# Allegro board RUBUS_20173009.brd (continued)
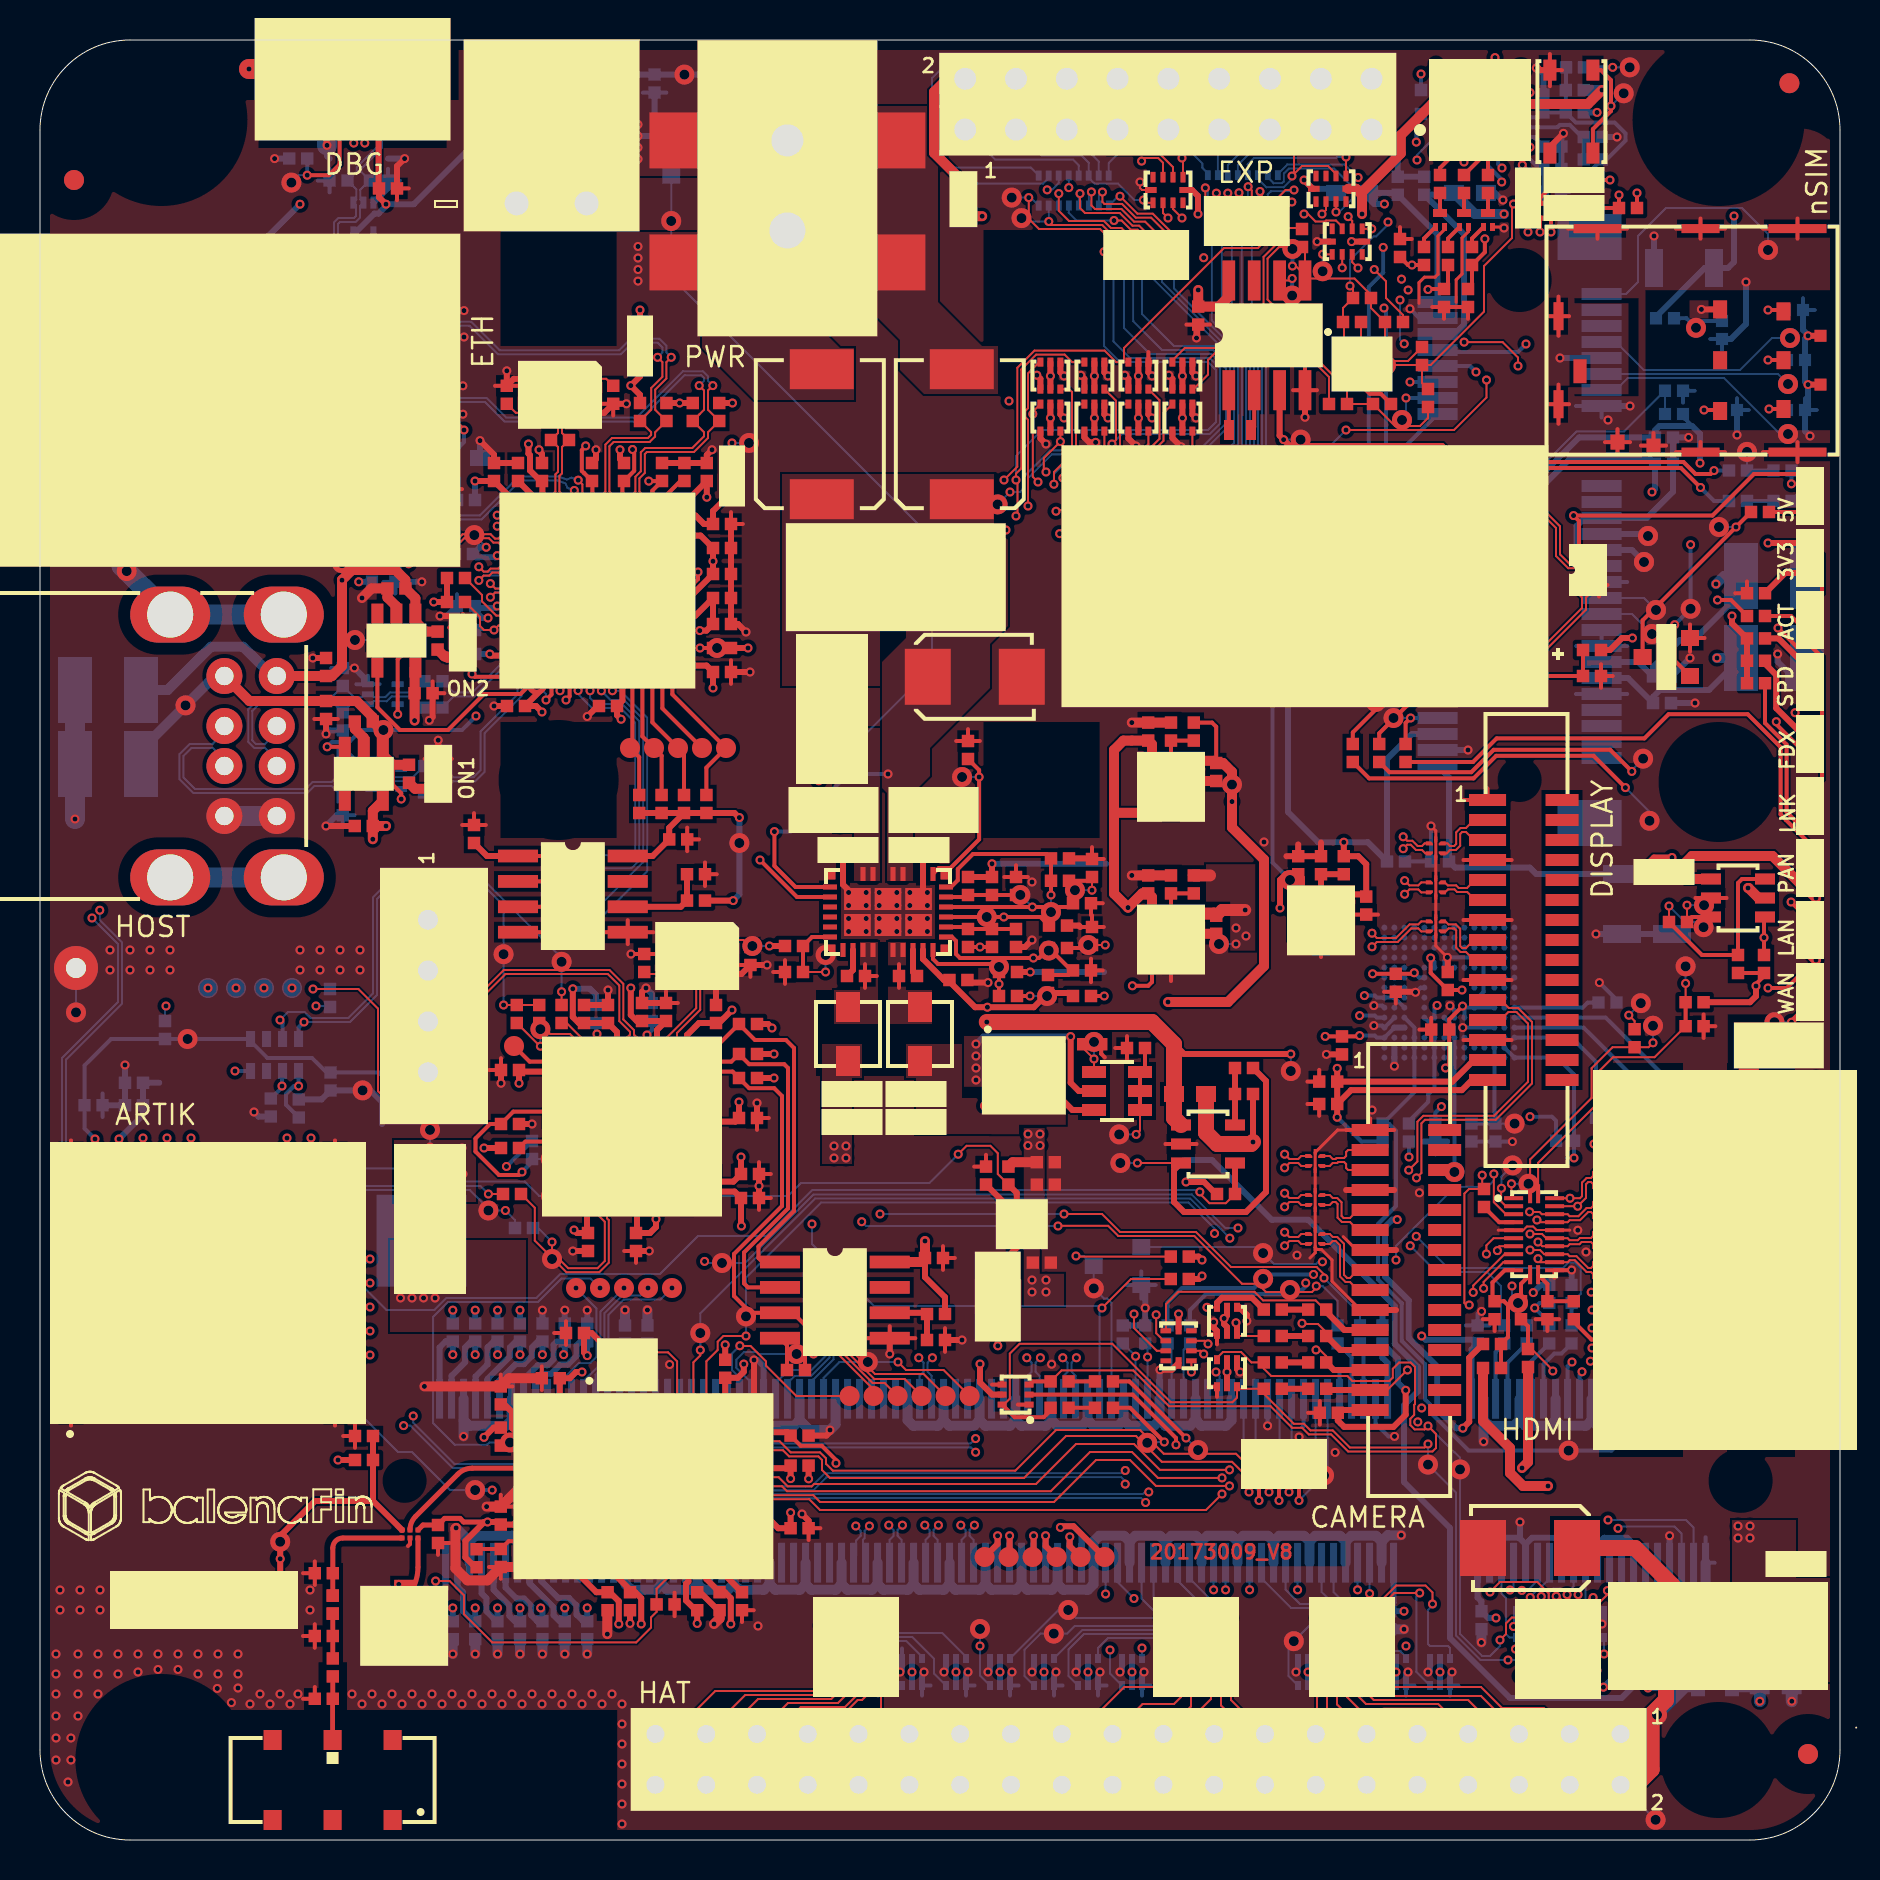
[diagram p0: board, top side]
## Library data of the parts (continued)
C68 C69 = CS-C-0402: room: USB HOST 1
C71 = CS-C-1206-10n/1kV: room: USB HOST 1
C75 C76 C79 = CS-C-0402-100n/16V: room: USB HOST 2
C77 C78 = CS-C-0402: room: USB HOST 2
C85 = CS-C-0402-100n/16V: room: SWITCH USB
C86 C87 = CS-C-0402: room: USB BOOT
C88 = CS-C-0402-100n/16V: room: USB BOOT
C89 = CS-C-1206-10n/1kV: room: USB BOOT
C91 C92 = CS-C-0402-100n/16V: room: ARTIK 020
C93 = CS-C-0402-10u/6V3-X5R: room: ARTIK 020
C107 = CS-C-0402-1u/16-X5R: room: eMMC
C108 C109 C111 = CS-C-0402-100n/16V: room: eMMC
C110 C112 = CS-C-0402-2.2u/6V3-X5R: room: eMMC
C113 C114 = CS-C-0603-10u/10V-X5R: room: CONNETTORE HAT
C115 C116 = CS-C-0603-10u/10V-X5R: room: mPCIE
C117-C124 C211 = CS-C-0402-100n/16V: room: mPCIE
C134 = CS-C-1206-10n/1kV: room: ETHERNET+HUB USB
C135 = CS-C-0603-22n/50V: room: ETHERNET+HUB USB
C136-C139 = CS-C-0402-15p/50V-NP0: room: ETHERNET+HUB USB
C140 C170-C183 C186 = CS-C-0402-100n/16V: room: ETHERNET+HUB USB
C147 C148 = CS-C-0402-33p/50V-C0G: room: ETHERNET+HUB USB
C149 = CS-C-0402-1u/16-X5R: room: POWER SWITCH
C150 C151 = CS-C-0402-10u/6V3-X5R: room: POWER SWITCH
C152 = CS-C-0402-100n/16V: room: POWER SWITCH
C153-C156 = CS-C-0402-33p/50V-C0G: room: NANO-SIM
C157-C159 C162-C166 C168 = CS-C-0402-100n/16V: room: USB-JTAG
C160 C161 C167 = CS-C-0402-4.7u/6V3-X5R: room: USB-JTAG
C184 = CS-C-0402-4.7u/6V3-X5R: room: ETHERNET+HUB USB
C185 = CS-C-0402-1u/16-X5R: room: ETHERNET+HUB USB
C187 = CS-C-0402-10n/50V: room: ETHERNET+HUB USB
C188 = CS-C-0402-100n/16V: room: RTC
C189-C199 = CS-C-0402-10u/6V3-X5R: room: WIFI-BLUETOOTH
C202 = CS-C-0402-0.6p/50V-C0G: room: WIFI-BLUETOOTH
C204 = CS-C-0402-100n/16V: room: LED RGB
C205 C206 C232 C234 = CS-C-1210-100u/10V-X5R
C207-C209 = CS-C-1206-22u/25V-X5R: room: mPCIE
C210 = CS-C-0402-100n/16V: room: WIFI-BLUETOOTH
C212 C217 = CS-C-0402
C213 C216 = CS-C-0402-220p/50V
C214 C215 C231 = CS-C-0402-10n/50V
C218 C219 = CS-C-0402-100n/16V
C220 C221 = CS-C-0402-4.7p/50V-C0G
C222 C224 = CS-C-1206-22u/25V-X5R
C223 C225 = CS-C-0603-100n/50V
C226 = CS-C-0402-1u/16-X5R
C227-C230 = CS-C-0603-22u/10V/X5R
DS1 = DIODO4x - BAV99BRVA-7 -0.2A/75V: room: DISPLAY DSI
DS2 DS3 = SCHOTTKY-CDBC560-G - 5A/60V: room: POWER IN
DS4 DS5 = DIODO4x - BAV99BRVA-7 -0.2A/75V: room: CAMERA CSI
DS7-DS10 DS25-DS28 = DIODO4x - BAV99BRVA-7 -0.2A/75V: room: MCU CONNECTOR
DS11-DS24 = DIODO4x - BAV99BRVA-7 -0.2A/75V: room: CONNETTORE HAT
DS31 DS32 = SCHOTTKY-MBRA160 - 1A/60V: room: USB-JTAG
DSW1 = DIP-SW-1x-CHS-01TB-SMD
F1 F4 = RAPIDO - 0154003.DR - 3A/125V: room: POWER IN
F2 = PTC - 0ZCM0010FF2G - 0.1A/15V: room: MCU CONNECTOR
F3 = PTC - 0ZCM0010FF2G - 0.1A/15V: room: CONNETTORE HAT
FID1-FID6 = FIDUCIAL
J1 = HDMI - J-19-0050-FOS-HDMI-A-CNC
J2 = SODIMM - CM3L - 1473005-4: room: CM3L
J3 = FPC-ZIF - J-15X2-0100-FDS-ZIF: room: DISPLAY DSI
J7 = JACK-PW - J-CUPJ002AH: room: POWER IN
J9 = UFL - U-FL-R-SMT-1-10: room: WIFI-BLUETOOTH
J10 = FPC-ZIF - J-15X2-0100-FDS-ZIF: room: CAMERA CSI
J11 = USB - J-8-0200-FOT-USB-A-2X: room: USB HOST 1
J13 = USB - MICROUSB-B-FCI10118192: room: USB BOOT
J14 = STRIP-J-9X2-0254-MDT: room: MCU CONNECTOR
J18 = STRIP-J-20X2-0254-MDT: room: CONNETTORE HAT
J19 = mPCIE - J-26X2-0080-FOS-2041119: room: mPCIE
J20 = RJ45 - J-RJ45-J0C0006NL: room: ETHERNET+HUB USB
J21 = MC - J-2-0350-MOT-MC: room: POWER IN
J22 = NANOSIM - J-NANOSIM-SF72S006VBA: room: NANO-SIM
J23 = MODUII - J-4-0254-MDT-MODUII: room: USB-JTAG
L1 = FIL-BLM15PX121SN1D- 120R/2A: room: HDMI
L2-L4 = CM - TDKTCE0806G - 90R/0.1A: room: DISPLAY DSI
L10 = L - L-07C2N2SV6T-2.2n/0.3A: room: WIFI-BLUETOOTH
L11-L13 = CM - TDKTCE0806G - 90R/0.1A: room: CAMERA CSI
L20 L21 = FIL-BLM18PG121SN1D-120R/2A: room: ETHERNET+HUB USB
L22 = L - L-07C1N8SV6T-1.8n/0.3A: room: WIFI-BLUETOOTH
L23 L24 = PW-IHLP1212BZER1R0M11-1u/5A
LD4 LD5 = LED R - GENERICO - 0603: room: POWER LED
LD8 = LED RGB - ASMT-YTB7-0AA02: room: LED RGB
LD9-LD11 = LED V - GENERICO - 0603: room: mPCIE
LD12 LD14 = LED V - GENERICO - 0603: room: ETHERNET+HUB USB
LD13 = LED G - KPT-1608YC - 0603: room: ETHERNET+HUB USB
LD15 = LED V - GENERICO - 0603: room: USB HOST 1
LD16 = LED V - GENERICO - 0603: room: USB HOST 2
LD17 = LED V - GENERICO - 0603: room: CM3L
MOD1 = WIFI-BLE - WYSBHVGXG: room: WIFI-BLUETOOTH
MOD2 = ARTIK - 020
PB1 = PB-SPST-SKRPADE010: room: CM3L
Q1 Q13 = NMOS - BSS138 - 0.2A/50V: room: HDMI
Q2 Q3 = NMOS - BSS138 - 0.2A/50V: room: CM3L
Q6 = NMOS - BSS138 - 0.2A/50V: room: SWITCH USB
Q7-Q9 = NPN - MMBT3904LP-7B - 0.2A/40V: room: LED RGB
Q14 = PMOS - SISS27DN - 23A/30V
Q15 = PNPPNP - DMMT5401-7-F-0.2A/150V
Q16 Q17 = N-P MOS-FDC6327C-2.7A/1.9A/20V
Q18 = NMOS-2X - PMGD280UN - 0.87A/20V
R1 R3-R5 R282 R283 R288 R289 = RS-0402-2.49k: room: CM3L
R2 R6 R8 R9 R11-R16 R183 R243 R244 R290 = RS-0402-0r: room: CM3L
R7 R10 R18 R20 = RS-0402-100k: room: CM3L
R17 R19 R237 R238 R249 R250 R255 R264 R291 R293 = RS-0402-0r
R21 R22 = RS-0402-100k: room: HDMI
R23-R26 = RS-0402-100r: room: DISPLAY DSI
R28 R29 = RS-0402-10k: room: CM3L
R31 = RS-0402-470r: room: CM3L
R32 = RS-0402-47k: room: CM3L
R35 = RS-0402-24.9k: room: POWER 2V8
R37 = RS-0402-10k: room: POWER 2V8
R42 = RS-0402-12.4k: room: POWER 1V8
R46 = RS-0402-10k: room: POWER 1V8
R49 = RS-0402-8.66k: room: POWER 1V5
R52 R271-R274 = RS-0402-10k: room: POWER 1V5
R66 = RS-0402-1k: room: POWER LED
R67 = RS-0402-470r: room: POWER LED
R81-R88 = RS-0402-100r: room: CAMERA CSI
R91 R92 = RS-0402-0r: room: USB HOST 1
R96 = RS-1206-1M: room: USB HOST 1
R108 R109 = RS-0402-0r: room: USB HOST 2
R113 R116 = RS-0402-47k: room: SWITCH USB
R114 R115 = RS-0402-0r: room: USB BOOT
R117 = RS-1206-1M: room: USB BOOT
R118 = RS-0402-10k: room: ARTIK 020
R119 = RS-0402-240r: room: LED RGB
R120 R122 R124 = RS-0402-100k: room: LED RGB
R121 R123 = RS-0402-200r: room: LED RGB
R128 R132 = RS-0402-10k: room: SWO MCU
R133 R135-R138 = RS-0402-49.9k: room: eMMC
R134 = RS-0402-10k: room: eMMC
R139 R140 = RS-0402-0r: room: eMMC
R142-R145 = RS-0402-100r: room: mPCIE
R146-R148 = RS-0402-330r: room: mPCIE
R149 R247 = RS-0402: room: mPCIE
R150-R152 R240 R245 R262 = RS-0402-10k
R153 = RS-0402: room: USB BOOT
R162-R165 = RS-0402-49.9r: room: ETHERNET+HUB USB
R169 = RS-0402: room: ETHERNET+HUB USB
R170 R203 R205-R209 = RS-0402-10k: room: ETHERNET+HUB USB
R171 = RS-0402-0r: room: ETHERNET+HUB USB
R174 R175 R177 = RS-0402-470r: room: ETHERNET+HUB USB
R180 = RS-0402-100k: room: POWER SWITCH
R182 = RS-1206-100r: room: POWER SWITCH
R184 = RS-0402: room: HUB-USB
R185-R187 = RS-0603-22r: room: NANO-SIM
R188 = RS-0402-15k: room: NANO-SIM
R189 R246 R248 = RS-0402-10k: room: mPCIE
R190 = RS-0402-2.2k: room: USB-JTAG
R191 R192 R196 R197 R217 = RS-0402-10k: room: USB-JTAG
R193 = RS-0402-12k: room: USB-JTAG
R198 R214-R216 = RS-0402-0r: room: USB-JTAG
R199 = RS-0402: room: USB-JTAG
R200 = RS-0402-10r: room: ETHERNET+HUB USB
R201 = RS-0402-12k: room: ETHERNET+HUB USB
R202 = RS-0402-12.4k: room: ETHERNET+HUB USB
R204 = RS-0402-1M: room: ETHERNET+HUB USB
R210 = RS-0402-1k: room: USB HOST 1
R211 = RS-0402-1k: room: USB HOST 2
R212 = RS-0402-1k: room: ETHERNET+HUB USB
R213 = RS-0402-470r: room: USB-JTAG
R218-R220 = RS-0402-10k: room: WIFI-BLUETOOTH
R221 R222 = RS-0402: room: WIFI-BLUETOOTH
R224 = RS-0402-0r: room: WIFI-BLUETOOTH
R229 R231 R232 R235 = RS-0402-0r: room: LED RGB
R230 R233 R234 R236 R284-R287 = RS-0402: room: LED RGB
R251 R252 R263 = RS-0402-15k
R253 R254 R256 R259 R275 = RS-0402
R257 R258 = RS-0402-1M
R260 = RS-0402-47k
R265 = RS-0402-191k
R266 = RS-0402-316k
R267 R268 = RS-0603
R269 = RS-0402-1k
R270 = RS-0402-2.2k
RR2 RR3 RR13 RR14 = RR-8X-1506-100r/5%: room: MCU CONNECTOR
RR4 = RR-1206-49.9r: room: SWO MCU
RR5-RR12 = RR-8X-1506-100r/5%: room: CONNETTORE HAT
RR15 = RR-8X-1506-10k/5%: room: WIFI-BLUETOOTH
TP1-TP12 TP59-TP63 TP70-TP72 TP84 = TEST POINT SMD 1 MM
TP21 = TEST POINT THT - 2.2MM: room: POWER IN
TP41 = TEST POINT SMD 1 MM: room: eMMC
TP46 TP47 TP49 TP50 TP55-TP58 TP64 = TEST POINT SMD 1 MM: room: mPCIE
TP65-TP69 = TEST POINT SMD 1 MM: room: ETHERNET+HUB USB
TP73 = TEST POINT SMD 1 MM: room: USB-JTAG
TVS1 = TVS-UNI - SMBJ36A - 36V/600W
TVS2 = TVS-UNI6x - TPD6E001RSER: room: CAMERA CSI
TVS3 = TVS-UNI3x - TPD3E001DRLR - USB: room: USB HOST 1
TVS4 = TVS-UNI3x - TPD3E001DRLR - USB: room: USB HOST 2
TVS5 = TVS-UNI3x - TPD3E001DRLR - USB: room: USB BOOT
TVS6 TVS7 TVS18 = TVS-UNI6x - TPD6E001RSER: room: MCU CONNECTOR
TVS15 = TVS-UNI - SM2T3V3A - 3.6V/200W: room: CONNETTORE HAT
TVS16 = TVS-UNI - SM6T6V8A - 6.8V/600W: room: CONNETTORE HAT
TVS17 = TVS-UNI3x - TPD3E001DRLR - USB: room: mPCIE
U1 = HDMI-TPD12S016RKTR-ESD PROTECT: room: HDMI
U2 = LDO - LD39050PUR - 0.5A/ADJ: room: POWER 2V8
U5 = LDO - LD39050PUR - 0.5A/ADJ: room: POWER 1V8
U6 = LDO - LD39050PUR - 0.5A/ADJ: room: POWER 1V5
U8 = USB-UART-2X - FT2232H-56Q: room: USB-JTAG
U10 = USB-PSW - TPS2051CDBVR: room: USB HOST 1
U12 = USB-PSW - TPS2051CDBVR: room: USB HOST 2
U13 = SWITCH-USB - FSUSB42UMX: room: SWITCH USB
U17 = eMMC - SDINBDG4-8G-I - 8GB
U19 = EE - 93AA66CT-I-SN - 4Kb: room: ETHERNET+HUB USB
U20 = PSW - 1x - AP22800HB-7: room: POWER SWITCH
U21 = EE - 93AA66CT-I-SN - 4Kb: room: USB-JTAG
U22 = USB-ETH-HUBx4 - LAN9514i: room: ETHERNET+HUB USB
U23 = RTC - DS1307ZN+: room: RTC
U25 = IO EXP-8b - PCA9554BS3-118: room: LED RGB
U26 = RF-SW - BGS12SN6E6327XTSA1
U27 = BUCK-2X-LT8650SEV- 4A/ADJ
Y2 = QUARZO-ABM8G-25.000MHz: room: ETHERNET+HUB USB
Y3 = QUARZO-ABM8G-12.000MHz: room: USB-JTAG
Y4 = QUARZO-ABS05-32.768KHZ-T: room: RTC
Y5 = OSCILLATORE - NZ2520SB-32.768K

## Footprints (pads in the part's own frame, mm; a bottom-side part is the same pattern mirrored in y, then rotated)
ANT-AH104N
  rect 0.9x1 smd: 1(-3,-2) 2(0,-2) 3(3,-2) 4(3,2) 5(0,2) 6(-3,2)
BAT-SMTU1225
  rect 2.6x3.5 smd: 1(-10.55,0) 2(10.55,0)
CS-C-0402
  rect 0.62x0.62 smd: 1(-0.45,0) 2(0.45,0)
CS-C-0603
  rect 1x0.8 smd: 1(-0.8,0) 2(0.8,0)
CS-C-1206
  rect 0.9x1.9 smd: 1(-1.5,0) 2(1.5,0)
CS-C-1210
  rect 1.7x3.3 smd: 1(-1.65,-0.1) 2(1.65,-0.1)
D-DO216AA
  rect 1.38x0.75 smd: 1(2.56,0)
  rect 2.32x2.03 smd: 2(0,0)
DSS-CHS-01TB
  rect 1x1.27 smd: 1(0,3.81) 2(0,-3.81)
F-LT154
  rect 4.24x3.81 smd: 1(-3.185,0) 2(3.185,0)
FIDUCIAL
  round 1 smd: 1(0,0)
FS-0603
  rect 0.7x1 smd: 1(-0.85,0) 2(0.85,0)
IC-LAN9514
  rect 0.69x0.28 smd: 1(-4.31,3.75) 2(-4.31,3.25) 3(-4.31,2.75) 4(-4.31,2.25) 5(-4.31,1.75) 6(-4.31,1.25) 7(-4.31,0.75) 8(-4.31,0.25) 9(-4.31,-0.25) 10(-4.31,-0.75) 11(-4.31,-1.25) 12(-4.31,-1.75) 13(-4.31,-2.25) 14(-4.31,-2.75) 15(-4.31,-3.25) 16(-4.31,-3.75) 33(4.31,-3.75) 34(4.31,-3.25) 35(4.31,-2.75) 36(4.31,-2.25) 37(4.31,-1.75) 38(4.31,-1.25) 39(4.31,-0.75) 40(4.31,-0.25) 41(4.31,0.25) 42(4.31,0.75) 43(4.31,1.25) 44(4.31,1.75) 45(4.31,2.25) 46(4.31,2.75) 47(4.31,3.25) 48(4.31,3.75)
  rect 0.28x0.69 smd: 17(-3.75,-4.31) 18(-3.25,-4.31) 19(-2.75,-4.31) 20(-2.25,-4.31) 21(-1.75,-4.31) 22(-1.25,-4.31) 23(-0.75,-4.31) 24(-0.25,-4.31) 25(0.25,-4.31) 26(0.75,-4.31) 27(1.25,-4.31) 28(1.75,-4.31) 29(2.25,-4.31) 30(2.75,-4.31) 31(3.25,-4.31) 32(3.75,-4.31) 49(3.75,4.31) 50(3.25,4.31) 51(2.75,4.31) 52(2.25,4.31) 53(1.75,4.31) 54(1.25,4.31) 55(0.75,4.31) 56(0.25,4.31) 57(-0.25,4.31) 58(-0.75,4.31) 59(-1.25,4.31) 60(-1.75,4.31) 61(-2.25,4.31) 62(-2.75,4.31) 63(-3.25,4.31) 64(-3.75,4.31)
  rect 7.3x7.3 smd: 65(0,0)
IC-LD39050
  rect 0.45x0.5 smd: 1(-0.95,-1.3) 2(0,-1.3) 3(0.95,-1.3) 4(0.95,1.3) 5(0,1.3) 6(-0.95,1.3)
  rect 2.5x1.75 smd: 7(0,0)
IC-LT8650SEV
  rect 0.375x0.375 smd: (-1.812,2.812) (-1.812,-2.812) (1.812,2.812) (1.812,-2.812)
  rect 0.7x0.25 smd: 1(-1.9,2.25) 2(-1.9,1.75) 4(-1.9,0.75) 5(-1.9,0.25) 7(-1.9,-0.75) 8(-1.9,-1.25) 10(-1.9,-2.25) 17(1.9,-2.25) 18(1.9,-1.75) 19(1.9,-1.25) 20(1.9,-0.75) 22(1.9,0.25) 23(1.9,0.75) 24(1.9,1.25) 25(1.9,1.75) 26(1.9,2.25)
  rect 0.25x0.7 smd: 11(-1.25,-2.9) 12(-0.75,-2.9) 13(-0.25,-2.9) 14(0.25,-2.9) 15(0.75,-2.9) 16(1.25,-2.9) 27(1.25,2.9) 28(0.75,2.9) 29(0.25,2.9) 30(-0.25,2.9) 31(-0.75,2.9) 32(-1.25,2.9)
  rect 1.1x1.33 smd: 33(-0.65,1.53) 34(0.65,1.53) 35(-0.65,0) 36(0.65,0) 37(-0.65,-1.53) 38(0.65,-1.53)
J-2-0350-MOT-MC
  rect 2.4x2.4 hole 1.2: 1(0,0)
  round 2.4 hole 1.2: 2(0,3.5)
J-3-MDS-UFL
  rect 1x1.55 smd: 1(0,-1.525)
  rect 1.05x2.2 smd: 2(-1.475,0) 3(1.475,0)
J-4-0254-MDT-MODUII
  rect 1.94x1.94 hole 1: 1(-3.8,0)
  round 1.94 hole 1: 2(-1.26,0) 3(1.28,0) 4(3.82,0)
J-5-0065-FOS-MICROUSB10118192
  rect 0.4x1.35 smd: 1(-1.3,0.125) 2(-0.65,0.125) 3(0,0.125) 4(0.65,0.125) 5(1.3,0.125)
  rect 2.1x1.6 smd: 6(-3.05,0) 7(3.05,0)
  rect 1.9x1.9 smd: 8(-1.2,-2.55) 9(1.2,-2.55)
  rect 1.8x1.9 smd: 10(-3.8,-2.55) 11(3.8,-2.55)
J-8-0200-FOT-USB-A-2X
  round 1.8 hole 0.92: 1(3.5,2.62) 2(1,2.62) 3(-1,2.62) 4(-3.5,2.62) 5(3.5,0) 6(1,0) 7(-1,0) 8(-3.5,0)
  oval 2.8x4 hole 2.3: 9(6.57,5.33) 10(6.57,-0.35) 11(-6.57,-0.35) 12(-6.57,5.33)
J-9X2-0254-MDT
  rect 2.1x2.1 hole 1.1: 1(0,0)
  round 2.1 hole 1.1: 2(0,2.54) 3(2.54,0) 4(2.54,2.54) 5(5.08,0) 6(5.08,2.54) 7(7.62,0) 8(7.62,2.54) 9(10.16,0) 10(10.16,2.54) 11(12.7,0) 12(12.7,2.54) 13(15.24,0) 14(15.24,2.54) 15(17.78,0) 16(17.78,2.54) 17(20.32,0) 18(20.32,2.54)
J-15X2-0100-FDS-ZIF
  rect 0.6x1.85 smd: 1(7,1.85) 2(6,1.85) 3(5,1.85) 4(4,1.85) 5(3,1.85) 6(2,1.85) 7(1,1.85) 8(0,1.85) 9(-1,1.85) 10(-2,1.85) 11(-3,1.85) 12(-4,1.85) 13(-5,1.85) 14(-6,1.85) 15(-7,1.85)
  rect 0.6x1.65 smd: 16(-7,-1.875) 17(-6,-1.875) 18(-5,-1.875) 19(-4,-1.875) 20(-3,-1.875) 21(-2,-1.875) 22(-1,-1.875) 23(0,-1.875) 24(1,-1.875) 25(2,-1.875) 26(3,-1.875) 27(4,-1.875) 28(5,-1.875) 29(6,-1.875) 30(7,-1.875)
J-19-0050-FOS-HDMI-A-CNCTECH
  round 0 hole 1.3: (-4.5,0.9) (4.5,0.9)
  rect 0.33x2.82 smd: 1(4.5,6.71) 2(4,6.71) 3(3.5,6.71) 4(3,6.71) 5(2.5,6.71) 6(2,6.71) 7(1.5,6.71) 8(1,6.71) 9(0.5,6.71) 10(0,6.71) 11(-0.5,6.71) 12(-1,6.71) 13(-1.5,6.71) 14(-2,6.71) 15(-2.5,6.71) 16(-3,6.71) 17(-3.5,6.71) 18(-4,6.71) 19(-4.5,6.71)
  rect 2.75x2.2 smd: 21(-7.875,0) 22(7.875,0)
  rect 2.75x3 smd: 23(7.875,6) 24(-7.875,6)
J-20X2-0254-MDT
  rect 2.1x2.1 hole 0.9: 1(0,0)
  round 2.1 hole 0.9: 2(0,2.54) 3(2.54,0) 4(2.54,2.54) 5(5.08,0) 6(5.08,2.54) 7(7.62,0) 8(7.62,2.54) 9(10.16,0) 10(10.16,2.54) 11(12.7,0) 12(12.7,2.54) 13(15.24,0) 14(15.24,2.54) 15(17.78,0) 16(17.78,2.54) 17(20.32,0) 18(20.32,2.54) 19(22.86,0) 20(22.86,2.54) 21(25.4,0) 22(25.4,2.54) 23(27.94,0) 24(27.94,2.54) 25(30.48,0) 26(30.48,2.54) 27(33.02,0) 28(33.02,2.54) 29(35.56,0) 30(35.56,2.54) 31(38.1,0) 32(38.1,2.54) 33(40.64,0) 34(40.64,2.54) 35(43.18,0) 36(43.18,2.54) 37(45.72,0) 38(45.72,2.54) 39(48.26,0) 40(48.26,2.54)
J-26X2-0080-FOS-2041119
  rect 2.3x3.2 smd: (-14.85,-3.5) (14.45,-3.5)
  round 0 hole 1.6 unplated: (-12.7,0)
  round 0 hole 2.7 unplated: (-12.3,23.9) (-12.3,48.05) (12.3,23.9) (12.3,48.05)
  round 0 hole 1.1 unplated: (12.3,0)
  rect 0.6x2 smd: 1(-12,-4.1) 2(-11.6,4.1) 3(-11.2,-4.1) 4(-10.8,4.1) 5(-10.4,-4.1) 6(-10,4.1) 7(-9.6,-4.1) 8(-9.2,4.1) 9(-8.8,-4.1) 10(-8.4,4.1) 11(-8,-4.1) 12(-7.6,4.1) 13(-7.2,-4.1) 14(-6.8,4.1) 15(-6.4,-4.1) 16(-6,4.1) 17(-2.4,-4.1) 18(-2,4.1) 19(-1.6,-4.1) 20(-1.2,4.1) 21(-0.8,-4.1) 22(-0.4,4.1) 23(0,-4.1) 24(0.4,4.1) 25(0.8,-4.1) 26(1.2,4.1) 27(1.6,-4.1) 28(2,4.1) 29(2.4,-4.1) 30(2.8,4.1) 31(3.2,-4.1) 32(3.6,4.1) 33(4,-4.1) 34(4.4,4.1) 35(4.8,-4.1) 36(5.2,4.1) 37(5.6,-4.1) 38(6,4.1) 39(6.4,-4.1) 40(6.8,4.1) 41(7.2,-4.1) 42(7.6,4.1) 43(8,-4.1) 44(8.4,4.1) 45(8.8,-4.1) 46(9.2,4.1) 47(9.6,-4.1) 48(10,4.1) 49(10.4,-4.1) 50(10.8,4.1) 51(11.2,-4.1) 52(11.6,4.1)
J-200-0060-MOS-1473005-4
  round 0 hole 1.6 unplated: (-33.4,-0.1)
  rect 4.5x4.6 smd: (-32.55,11.9) (32.55,11.9)
  round 0 hole 1.1 unplated: (33.4,-0.1)
  rect 0.35x2 smd: 1(-31.65,-4.2) 2(-31.35,4) 3(-31.05,-4.2) 4(-30.75,4) 5(-30.45,-4.2) 6(-30.15,4) 7(-29.85,-4.2) 8(-29.55,4) 9(-29.25,-4.2) 10(-28.95,4) 11(-28.65,-4.2) 12(-28.35,4) 13(-28.05,-4.2) 14(-27.75,4) 15(-27.45,-4.2) 16(-27.15,4) 17(-26.85,-4.2) 18(-26.55,4) 19(-26.25,-4.2) 20(-25.95,4) 21(-25.65,-4.2) 22(-25.35,4) 23(-25.05,-4.2) 24(-24.75,4) 25(-24.45,-4.2) 26(-24.15,4) 27(-23.85,-4.2) 28(-23.55,4) 29(-23.25,-4.2) 30(-22.95,4) 31(-22.65,-4.2) 32(-22.35,4) 33(-22.05,-4.2) 34(-21.75,4) 35(-21.45,-4.2) 36(-21.15,4) 37(-20.85,-4.2) 38(-20.55,4) 39(-20.25,-4.2) 40(-19.95,4) 41(-16.05,-4.2) 42(-15.75,4) 43(-15.45,-4.2) 44(-15.15,4) 45(-14.85,-4.2) 46(-14.55,4) 47(-14.25,-4.2) 48(-13.95,4) 49(-13.65,-4.2) 50(-13.35,4) 51(-13.05,-4.2) 52(-12.75,4) 53(-12.45,-4.2) 54(-12.15,4) 55(-11.85,-4.2) 56(-11.55,4) 57(-11.25,-4.2) 58(-10.95,4) 59(-10.65,-4.2) 60(-10.35,4) 61(-10.05,-4.2) 62(-9.75,4) 63(-9.45,-4.2) 64(-9.15,4) 65(-8.85,-4.2) 66(-8.55,4) 67(-8.25,-4.2) 68(-7.95,4) 69(-7.65,-4.2) 70(-7.35,4) 71(-7.05,-4.2) 72(-6.75,4) 73(-6.45,-4.2) 74(-6.15,4) 75(-5.85,-4.2) 76(-5.55,4) 77(-5.25,-4.2) 78(-4.95,4) 79(-4.65,-4.2) 80(-4.35,4) 81(-4.05,-4.2) 82(-3.75,4) 83(-3.45,-4.2) 84(-3.15,4) 85(-2.85,-4.2) 86(-2.55,4) 87(-2.25,-4.2) 88(-1.95,4) 89(-1.65,-4.2) 90(-1.35,4) 91(-1.05,-4.2) 92(-0.75,4) 93(-0.45,-4.2) 94(-0.15,4) 95(0.15,-4.2) 96(0.45,4) 97(0.75,-4.2) 98(1.05,4) 99(1.35,-4.2) 100(1.65,4) 101(1.95,-4.2) 102(2.25,4) 103(2.55,-4.2) 104(2.85,4) 105(3.15,-4.2) 106(3.45,4) 107(3.75,-4.2) 108(4.05,4) 109(4.35,-4.2) 110(4.65,4) 111(4.95,-4.2) 112(5.25,4) 113(5.55,-4.2) 114(5.85,4) 115(6.15,-4.2) 116(6.45,4) 117(6.75,-4.2) 118(7.05,4) 119(7.35,-4.2) 120(7.65,4) 121(7.95,-4.2) 122(8.25,4) 123(8.55,-4.2) 124(8.85,4) 125(9.15,-4.2) 126(9.45,4) 127(9.75,-4.2) 128(10.05,4) 129(10.35,-4.2) 130(10.65,4) 131(10.95,-4.2) 132(11.25,4) 133(11.55,-4.2) 134(11.85,4) 135(12.15,-4.2) 136(12.45,4) 137(12.75,-4.2) 138(13.05,4) 139(13.35,-4.2) 140(13.65,4) 141(13.95,-4.2) 142(14.25,4) 143(14.55,-4.2) 144(14.85,4) 145(15.15,-4.2) 146(15.45,4) 147(15.75,-4.2) 148(16.05,4) 149(16.35,-4.2) 150(16.65,4) 151(16.95,-4.2) 152(17.25,4) 153(17.55,-4.2) 154(17.85,4) 155(18.15,-4.2) 156(18.45,4) 157(18.75,-4.2) 158(19.05,4) 159(19.35,-4.2) 160(19.65,4) 161(19.95,-4.2) 162(20.25,4) 163(20.55,-4.2) 164(20.85,4) 165(21.15,-4.2) 166(21.45,4) 167(21.75,-4.2) 168(22.05,4) 169(22.35,-4.2) 170(22.65,4) 171(22.95,-4.2) 172(23.25,4) 173(23.55,-4.2) 174(23.85,4) 175(24.15,-4.2) 176(24.45,4) 177(24.75,-4.2) 178(25.05,4) 179(25.35,-4.2) 180(25.65,4) 181(25.95,-4.2) 182(26.25,4) 183(26.55,-4.2) 184(26.85,4) 185(27.15,-4.2) 186(27.45,4) 187(27.75,-4.2) 188(28.05,4) 189(28.35,-4.2) 190(28.65,4) 191(28.95,-4.2) 192(29.25,4) 193(29.55,-4.2) 194(29.85,4) 195(30.15,-4.2) 196(30.45,4) 197(30.75,-4.2) 198(31.05,4) 199(31.35,-4.2) 200(31.65,4)
J-CUPJ002AH
  round 1.6 hole 1.6 unplated: (0,0)
  round 1.8 hole 1.8 unplated: (4.5,0)
  rect 2.8x2.4 smd: 1A(6.1,5.7) 1B(0,5.7) 2(0,-5.7) 3(6.1,-5.7)
J-NANOSIM-SF72S006VBA
  rect 0.9x0.7 smd: 1(2.99,-10.175) 2(0.55,-10.175) 3(-1.89,-10.175) 5(3.09,-7.005) 6(0.55,-7.005) 7(-1.99,-7.005)
  rect 0.45x2.9 smd: 8(-4.045,-10.875) 17(7.13,-10.875)
  rect 0.45x1.9 smd: 9(-4.045,-6.025) 16(7.13,-6.025)
  rect 0.7x0.7 smd: 10(-3.72,-3.675)
  rect 0.75x0.7 smd: 11(-3.545,-1.875)
  rect 1.4x0.5 smd: 12(-1.65,1.075) 14(2.75,1.075)
  rect 1.2x0.65 smd: 13(0,0)
  rect 0.45x2.4 smd: 15(7.13,-0.875)
  rect 0.6x0.6 smd: 18(1.77,-12.025) 19(-0.67,-12.025)
J-RJ45-J0C0006NL
  round 0 hole 3.3: (2.615,-13.9) (14.045,-13.9)
  rect 0.76x4.18 smd: 1(3.885,-2.29) 2(5.155,-2.29) 3(6.425,-2.29) 4(7.695,-2.29) 5(8.965,-2.29) 6(10.235,-2.29) 7(11.505,-2.29) 8(12.775,-2.29)
  rect 3.425x4.58 smd: 9(2.542,-18.14) 10(14.117,-18.14)
LD-0603
  rect 0.8x0.8 smd: 1(-0.75,0) 2(0.75,0)
LD-PLCC6-GUIDAVLP
  round 0 hole 0.6 unplated: (-2.05,-2.05) (2.05,2.05)
  rect 0.5x1.6 smd: 1(-0.9,-1.475) 2(0,-1.475) 3(0.9,-1.475) 4(0.9,1.475) 5(0,1.475) 6(-0.9,1.475)
LS-0402
  rect 0.62x0.62 smd: 1(-0.45,0) 2(0.45,0)
LS-0603
  rect 1x0.8 smd: 1(-0.8,0) 2(0.8,0)
LS-TDKTCE0806G
  custom 0.355x0.2 smd: 1(-0.323,0.25) 2(-0.323,-0.25) 3(0.323,-0.25) 4(0.323,0.25)
  custom 0.15x0.345 smd: 5(0,0.427) 6(0,-0.427)
LS-VIIHLP1212BZ11
  rect 1.5x1.2 smd: 1(-1.35,0) 2(1.35,0)
MOD-ARTIK-020
  rect 2.4x0.8 smd: 1(1.2,-0.85) 2(1.2,-2.05) 3(1.2,-3.25) 4(1.2,-4.45) 5(1.2,-5.65) 6(1.2,-6.85) 7(1.2,-8.05) 8(1.2,-9.25) 9(1.2,-10.45) 10(1.2,-11.65) 11(1.2,-12.85) 12(1.2,-14.05) 20(12.5,-14.05) 21(12.5,-12.85) 22(12.5,-11.65) 23(12.5,-10.45) 24(12.5,-9.25) 25(12.5,-8.05) 26(12.5,-6.85) 27(12.5,-5.65) 28(12.5,-4.45) 29(12.5,-3.25) 30(12.5,-2.05) 31(12.5,-0.85)
  rect 0.8x2.4 smd: 13(3.25,-14.2) 14(4.45,-14.2) 15(5.65,-14.2) 16(6.85,-14.2) 17(8.05,-14.2) 18(9.25,-14.2) 19(10.45,-14.2)
MOD-WYSBHVGXG
  round 1.2 smd: A1(-5.3,-3.6) A9(-5.3,3.6) M1(5.3,-3.6) M9(5.3,3.6)
  round 0.6 smd: A3(-4.95,-1.8) A4(-4.95,-0.9) A5(-4.95,0) A6(-4.95,0.9) A7(-4.95,1.8) B1(-4.05,-3.6) B2(-4.05,-2.7) B3(-4.05,-1.8) B4(-4.05,-0.9) B5(-4.05,0) B6(-4.05,0.9) B7(-4.05,1.8) B8(-4.05,2.7) B9(-4.05,3.6) C1(-3.15,-3.6) C2(-3.15,-2.7) C8(-3.15,2.7) C9(-3.15,3.6) D1(-2.25,-3.6) D2(-2.25,-2.7) D8(-2.25,2.7) D9(-2.25,3.6) E1(-1.35,-3.6) E2(-1.35,-2.7) E8(-1.35,2.7) E9(-1.35,3.6) F1(-0.45,-3.6) F2(-0.45,-2.7) F8(-0.45,2.7) F9(-0.45,3.6) G1(0.45,-3.6) G2(0.45,-2.7) G8(0.45,2.7) G9(0.45,3.6) H1(1.35,-3.6) H2(1.35,-2.7) H8(1.35,2.7) H9(1.35,3.6) J1(2.25,-3.6) J2(2.25,-2.7) J8(2.25,2.7) J9(2.25,3.6) K1(3.15,-3.6) K2(3.15,-2.7) K8(3.15,2.7) K9(3.15,3.6) L1(4.05,-3.6) L2(4.05,-2.7) L3(4.05,-1.8) L4(4.05,-0.9) L5(4.05,0) L6(4.05,0.9) L7(4.05,1.8) L8(4.05,2.7) L9(4.05,3.6) M3(4.95,-1.8) M4(4.95,-0.9) M5(4.95,0) M6(4.95,0.9) M7(4.95,1.8) N4(5.85,-0.9) N5(5.85,0)
  rect 3x1.6 smd: E4(-1.7,-1) E6(-1.7,1) H4(1.7,-1) H6(1.7,1)
PB-SKRPA
  rect 1.05x0.65 smd: 1(-2.075,1.075) 2(2.075,1.075) 3(-2.075,-1.075) 4(2.075,-1.075)
POWERVDFN8-0330X0330
  rect 0.4x0.75 smd: 1(-0.975,-1.525) 2(-0.325,-1.525) 3(0.325,-1.525) 4(0.975,-1.525)
  rect 3.31x2.4 smd: 5(0,0.7)
QFN16-EXP-3X3
  rect 0.3x0.8 smd: 1(0.75,1.5) 2(0.25,1.5) 3(-0.25,1.5) 4(-0.75,1.5) 9(-0.75,-1.5) 10(-0.25,-1.5) 11(0.25,-1.5) 12(0.75,-1.5)
  rect 0.8x0.3 smd: 5(-1.5,0.75) 6(-1.5,0.25) 7(-1.5,-0.25) 8(-1.5,-0.75) 13(1.5,-0.75) 14(1.5,-0.25) 15(1.5,0.25) 16(1.5,0.75)
  rect 1.5x1.5 smd: 17(0,0)
QFN56-EXP-8X8
  rect 0.7x0.3 smd: 1(-3.95,3.25) 2(-3.95,2.75) 3(-3.95,2.25) 4(-3.95,1.75) 5(-3.95,1.25) 6(-3.95,0.75) 7(-3.95,0.25) 8(-3.95,-0.25) 9(-3.95,-0.75) 10(-3.95,-1.25) 11(-3.95,-1.75) 12(-3.95,-2.25) 13(-3.95,-2.75) 14(-3.95,-3.25) 29(3.95,-3.25) 30(3.95,-2.75) 31(3.95,-2.25) 32(3.95,-1.75) 33(3.95,-1.25) 34(3.95,-0.75) 35(3.95,-0.25) 36(3.95,0.25) 37(3.95,0.75) 38(3.95,1.25) 39(3.95,1.75) 40(3.95,2.25) 41(3.95,2.75) 42(3.95,3.25)
  rect 0.3x0.7 smd: 15(-3.25,-3.95) 16(-2.75,-3.95) 17(-2.25,-3.95) 18(-1.75,-3.95) 19(-1.25,-3.95) 20(-0.75,-3.95) 21(-0.25,-3.95) 22(0.25,-3.95) 23(0.75,-3.95) 24(1.25,-3.95) 25(1.75,-3.95) 26(2.25,-3.95) 27(2.75,-3.95) 28(3.25,-3.95) 43(3.25,3.95) 44(2.75,3.95) 45(2.25,3.95) 46(1.75,3.95) 47(1.25,3.95) 48(0.75,3.95) 49(0.25,3.95) 50(-0.25,3.95) 51(-0.75,3.95) 52(-1.25,3.95) 53(-1.75,3.95) 54(-2.25,3.95) 55(-2.75,3.95) 56(-3.25,3.95)
  rect 5.9x5.9 smd: 57(0,0)
RR-8X-1506
  rect 0.3x0.5 smd: 1(-1.75,-0.75) 2(-1.25,-0.75) 3(-0.75,-0.75) 4(-0.25,-0.75) 5(0.25,-0.75) 6(0.75,-0.75) 7(1.25,-0.75) 8(1.75,-0.75) 9(1.75,0.75) 10(1.25,0.75) 11(0.75,0.75) 12(0.25,0.75) 13(-0.25,0.75) 14(-0.75,0.75) 15(-1.25,0.75) 16(-1.75,0.75)
RR-1206
  rect 0.45x0.8 smd: 1(0,0) 2(0.8,0) 3(1.6,0) 4(2.4,0) 5(2.4,1.6) 6(1.6,1.6) 7(0.8,1.6) 8(0,1.6)
RS-0402
  rect 0.62x0.62 smd: 1(-0.45,0) 2(0.45,0)
RS-0603
  rect 1x0.8 smd: 1(-0.8,0) 2(0.8,0)
RS-1206
  rect 0.9x1.9 smd: 1(-1.5,0) 2(1.5,0)
SMA
  rect 2x2.6 smd: 1(0,0) 2(4.5,0)
SMB
  rect 2.3x2.8 smd: 1(0,0) 2(4.7,0)
SMC
  rect 2x3.2 smd: 1(-3.25,0) 2(3.25,0)
SOIC8
  rect 0.635x2.003 smd: 1(0,0) 2(1.27,0) 3(2.54,0) 4(3.81,0) 5(3.81,5.486) 6(2.54,5.486) 7(1.27,5.486) 8(0,5.486)
SOP5
  rect 0.6x0.3 smd: 1(-0.75,0.5) 2(-0.75,0) 3(-0.75,-0.5) 4(0.74,-0.5) 5(0.74,0.5)
SOT23
  rect 0.9x0.8 smd: 1(0,0) 2(0,1.9) 3(-2.37,0.95)
SOT23-5
  rect 0.6x1 smd: 1(0,0) 2(0.95,0) 3(1.9,0) 4(1.9,2.7) 5(0,2.7)
SOT23-6-DBV
  rect 0.55x1 smd: 1(-0.95,-1.35) 2(0,-1.35) 3(0.95,-1.35) 4(0.95,1.35) 5(0,1.35) 6(-0.95,1.35)
SOT23-6L
  rect 0.6x1.2 smd: 1(0,0) 2(0.95,0) 3(1.9,0) 4(1.9,2.3) 5(0.95,2.3) 6(0,2.3)
SOT363
  rect 0.6x0.6 smd: 1(-0.9,0.75) 3(-0.9,-0.75) 4(0.9,-0.75) 6(0.9,0.75)
  rect 0.6x0.4 smd: 2(-0.9,0) 5(0.9,0)
SOT563
  rect 0.3x0.45 smd: 1(-0.5,-0.675) 2(0,-0.675) 3(0.5,-0.675) 4(0.5,0.675) 5(0,0.675) 6(-0.5,0.675)
TPS-0100
  round 1 smd: 1(0,0)
TPT-0100
  round 2.2 hole 1: 1(0,0)
UFDFN3
  rect 0.4x0.25 smd: 1(-0.35,0.225) 2(-0.35,-0.225)
  rect 0.4x0.7 smd: 3(0.35,0)
UFDFN8-EXP-0210X0160
  rect 0.3x0.6 smd: 1(-0.75,-0.725) 2(-0.25,-0.725) 3(0.25,-0.725) 4(0.75,-0.725) 5(0.75,0.725) 6(0.25,0.725) 7(-0.25,0.725) 8(-0.75,0.725)
  rect 1.75x0.45 smd: 9(0,0)
UFQFN10
  rect 0.25x0.53 smd: 1(0.75,0.64) 2(0.25,0.64) 3(-0.25,0.64) 4(-0.75,0.64) 6(-0.75,-0.64) 7(-0.25,-0.64) 8(0.25,-0.64) 9(0.75,-0.64)
  rect 0.58x0.3 smd: 5(-0.86,0) 10(0.86,0)
UFQFN24-4X2
  rect 0.2x0.95 smd: 1(-1.8,-1.025) 2(-1.4,-1.025) 3(-1,-1.025) 4(-0.6,-1.025) 5(-0.2,-1.025) 6(0.2,-1.025) 7(0.6,-1.025) 8(1,-1.025) 9(1.4,-1.025) 10(1.8,-1.025) 13(1.8,1.025) 14(1.4,1.025) 15(1,1.025) 16(0.6,1.025) 17(0.2,1.025) 18(-0.2,1.025) 19(-0.6,1.025) 20(-1,1.025) 21(-1.4,1.025) 22(-1.8,1.025)
  rect 0.95x0.2 smd: 11(2.025,-0.2) 12(2.025,0.2) 23(-2.025,0.2) 24(-2.025,-0.2)
UMLP10
  rect 0.563x0.225 smd: 1(-0.569,0.2) 2(-0.569,-0.2) 6(0.569,-0.2) 7(0.569,0.2)
  rect 0.225x0.563 smd: 3(-0.4,-0.768) 4(0,-0.768) 5(0.4,-0.768) 8(0.4,0.768) 9(0,0.768) 10(-0.4,0.768)